# Altium PCB EVB-NORA-B20.PcbDoc (part 1 of 6) (continued)
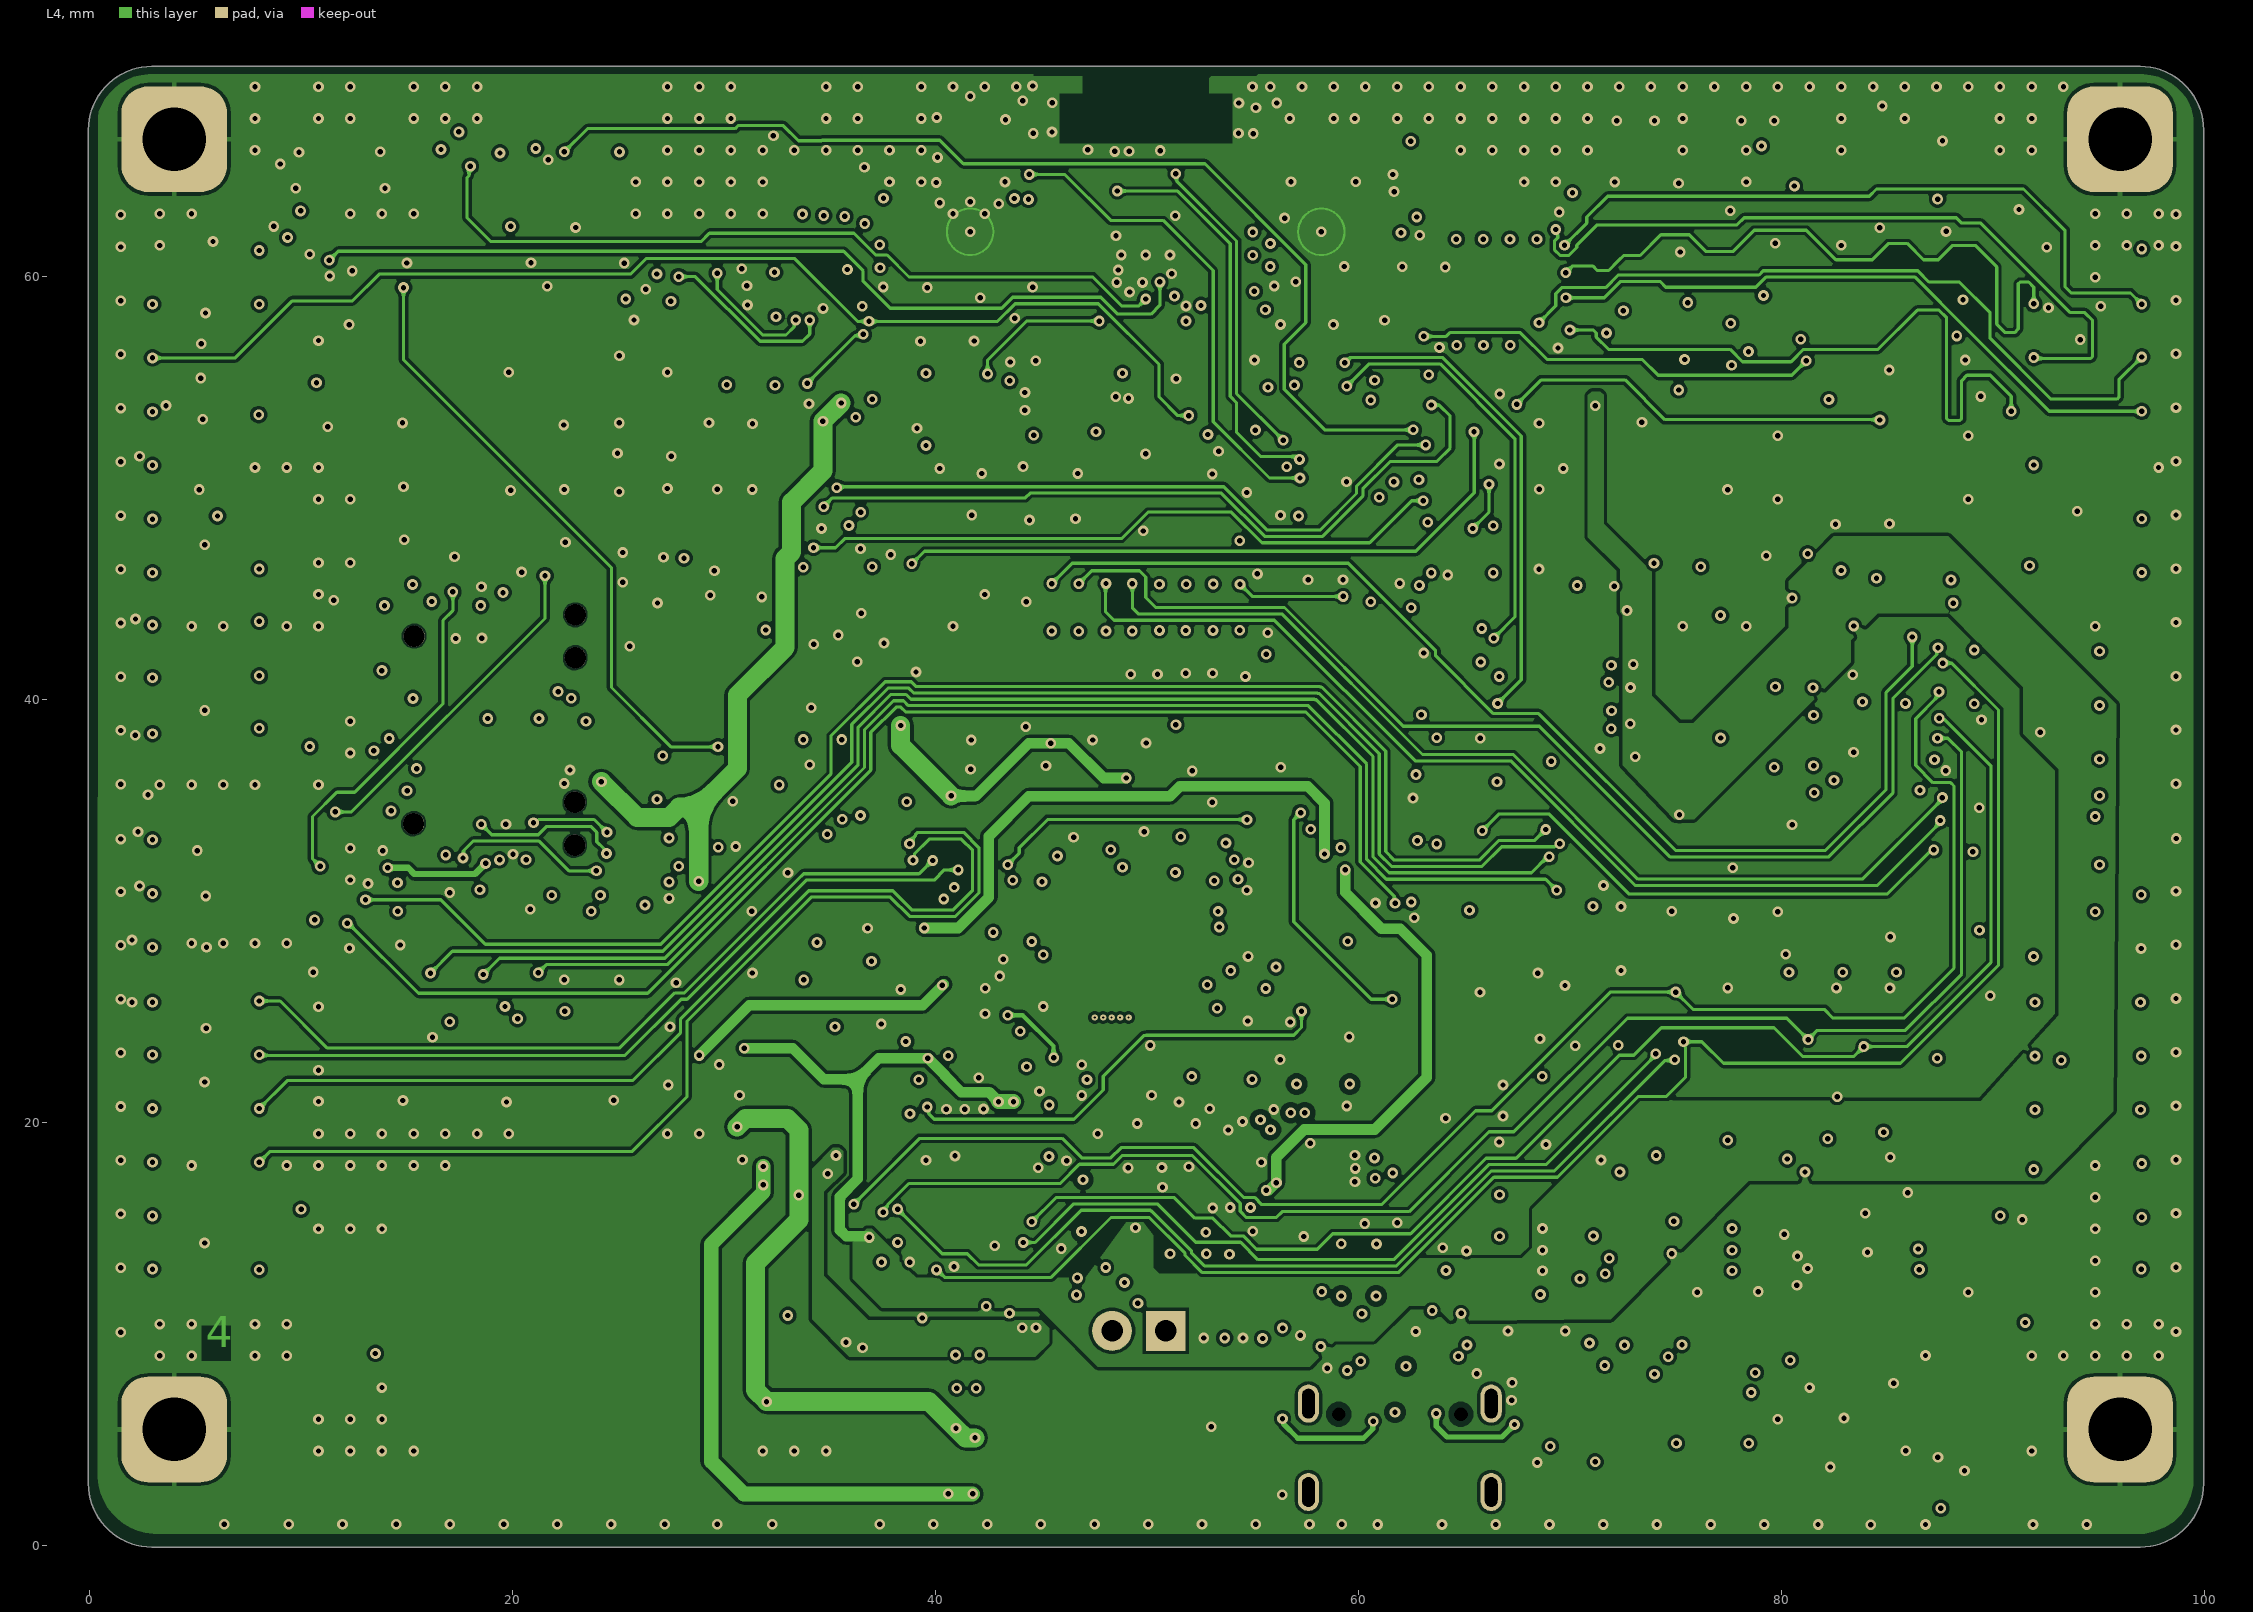
[diagram p4: L4]
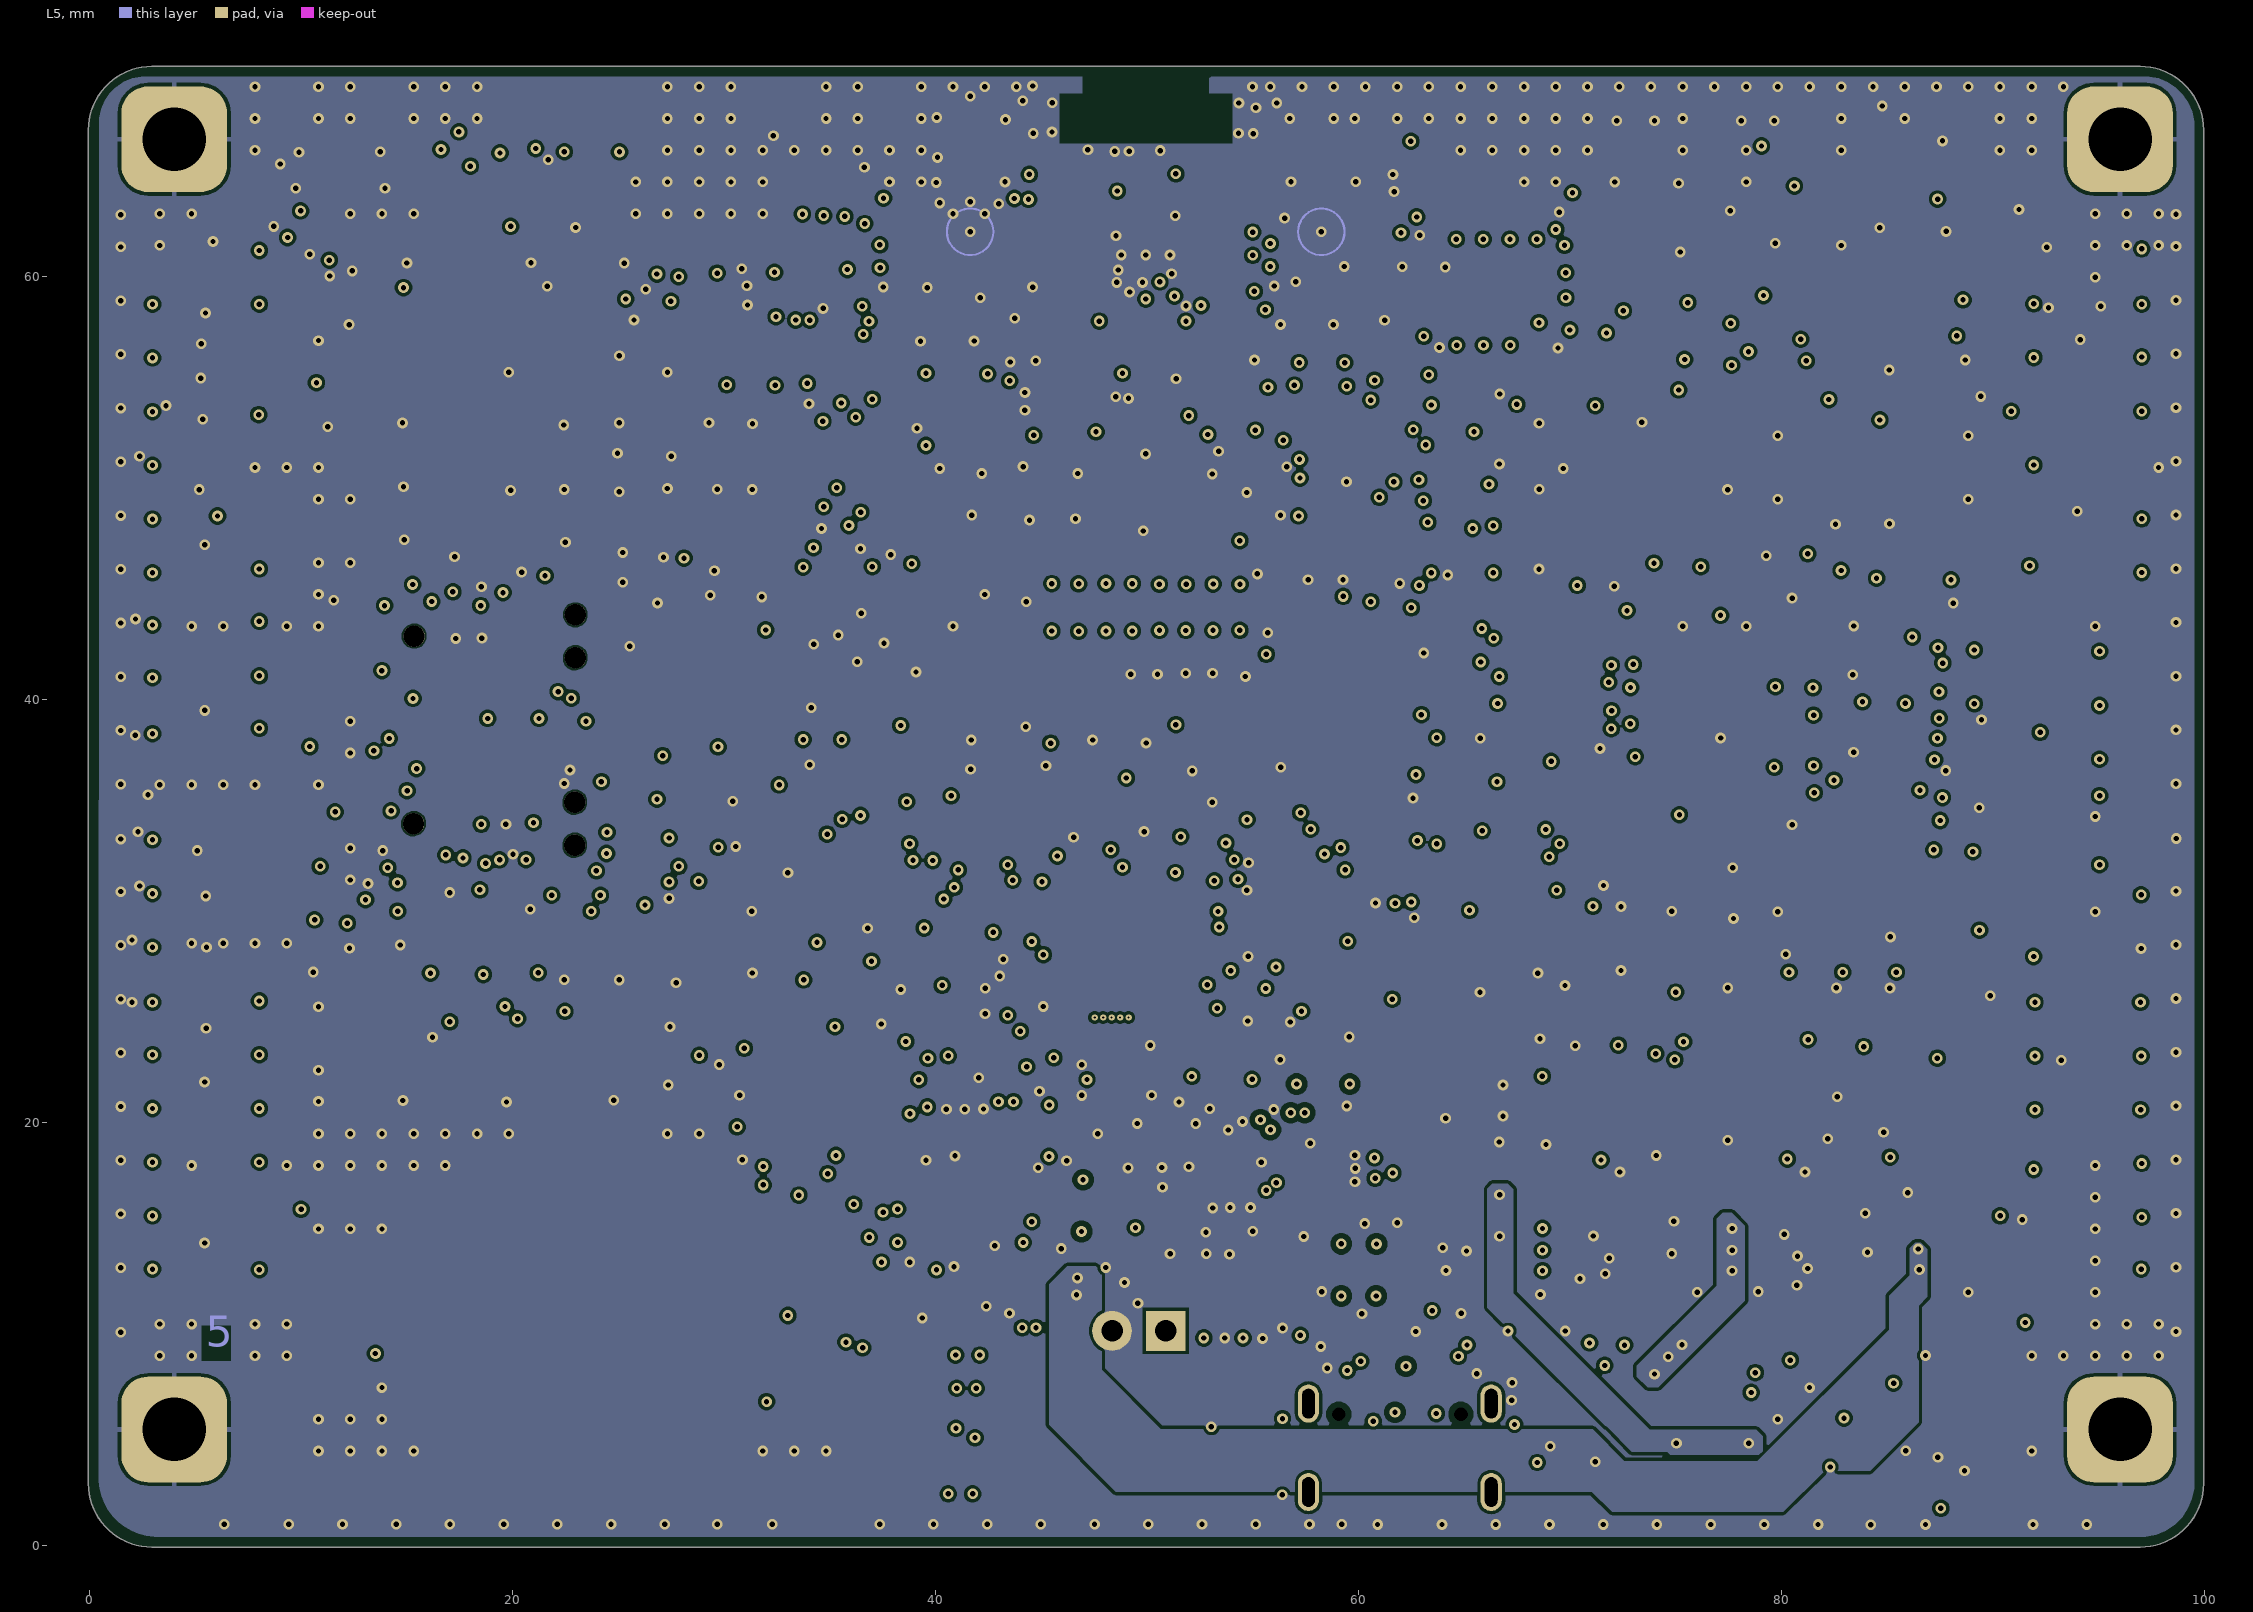
[diagram p5: L5]

## Layer stack, top to bottom
Top Solder: solder mask 0.01, Solder Resist, Dk 3.5
L1: signal copper 0.035
Dielectric 1: prepreg 0.2184, PP-023, Dk 4.5
L2: signal copper 0.035
Dielectric 2: core 0.36, Core-034, Dk 4.6
L3: signal copper 0.035
Core: prepreg 0.1803, PP-021, Dk 4.7
L4: signal copper 0.035
Dielectric 4: core 0.36, Core-034, Dk 4.6
L5: signal copper 0.035
Dielectric 3: prepreg 0.2184, PP-023, Dk 4.5
L6: signal copper 0.035
Bottom Solder: solder mask 0.01, Solder Resist, Dk 3.5

## Board outline
2.946,-0.059 96.946,-0.059 ccw(c96.946,2.941) 99.946,2.941 99.946,66.941 ccw(c96.946,66.941) 96.946,69.941 2.946,69.941 ccw(c2.946,66.941) -0.054,66.941 -0.054,2.941 ccw(c2.946,2.941)

## Design rules (kind name [scope] priority, off if disabled: settings)
BoardOutlineClearance [All] p1: gap=0.356 ignorepadtopadclearanceinfootprint=FALSE
Clearance [(InDifferentialPairClass('All Differential Pairs')) vs IsRegion] p1: gap=0.25 ignorepadtopadclearanceinfootprint=FALSE
Clearance Clearance_1 [InPolygon vs (InDifferentialPairClass('All Differential Pairs'))] p2: gap=0.3 ignorepadtopadclearanceinfootprint=FALSE
Clearance Clearance_Poly_1 [InPolygon vs (OnLayer('Keep-Out Layer')) OR (OnLayer('Multi-Layer') AND IsPad  AND Not(PadIsPlated))] p3: gap=0.15 ignorepadtopadclearanceinfootprint=FALSE except(0: Arc-Text Arc-Hole Track-Text Track-Hole SMDPad-Text SMDPad-Hole THPad-Text THPad-Hole Via-Text Via-Hole Fill-Text Fill-Hole Poly-Text Poly-Hole Region-Text Region-Hole Text-Text Text-Hole; 0.375: Arc-Poly Arc-Region Track-Poly Track-Region SMDPad-Poly SMDPad-Region THPad-Poly THPad-Region Via-Poly Via-Region Fill-Poly Fill-Region Poly-Poly Poly-Region Region-Region)
Clearance Clearance_2 [InNetClass('All Nets')] p4: gap=0.15 ignorepadtopadclearanceinfootprint=FALSE except(0: Arc-Text Arc-Hole Track-Text Track-Hole SMDPad-Text SMDPad-Hole THPad-Text THPad-Hole Via-Text Via-Hole Fill-Text Fill-Hole Poly-Text Poly-Hole Region-Text Region-Hole Text-Text Text-Hole)
ComponentClearance ComponentClearance_under_components [InCInComponent('S11','U4','BAT1','U17') vs InComponentClass('Component_under_Component')] p1 off: gap=0 collisioncheckmode=3 verticalgap=0 showdistances=FALSE
ComponentClearance [All] p2: gap=0.127 collisioncheckmode=3 verticalgap=0.254 showdistances=FALSE
DiffPairsRouting [InDifferentialPairClass('All Differential Pairs')] p1: maxlimit=0.254 minlimit=0.127 mostfreqgap=0.152 toplayer_mingap=0.15 toplayer_maxgap=0.15 toplayer_prefgap=0.15 toplayer_minwidth=0.255 toplayer_maxwidth=0.255 toplayer_prefwidth=0.255 bottomlayer_mingap=0.15 bottomlayer_maxgap=0.15 bottomlayer_prefgap=0.15 bottomlayer_minwidth=0.255 bottomlayer_maxwidth=0.255 bottomlayer_prefwidth=0.255 impedanceprofiledriven=TRUE impedanceprofileid={DAE00D8D-1B73-4F86-ADBC-31F0C44CA26F} impedanceprofilevalue=90.000000 maxuncoupledlength=12.7
Height [All] p1: minheight=0 maxheight=25.4 prefheight=2.54
HoleSize [All] p1: absolutevalues=TRUE maxlimit=2540 minlimit=0.2 maxpercent=80.000 minpercent=20.000
HoleToHoleClearance [All] p1: gap=0.152 allowstackedmicrovias=TRUE
MatchedLengths MatchLengths_xSignals_J7_R185,R186,R187,R188,R189,R19,R190 [InxSignalClass('xSignals_J7_R185,R186,R187,R188,R189,R19,R190_MatchLengthsClass')] p1: tolerance=2.54 checknetsindiffpair=FALSE checkdiffpairvsdiffpair=TRUE checkxsignals=TRUE checkothers=TRUE
MatchedLengths MatchLengths_J7_Passives_U6_1 [InxSignalClass('xSignals_J7_Passives_U6_MatchLengthsClass_1')] p2: tolerance=2.54 checknetsindiffpair=FALSE checkdiffpairvsdiffpair=TRUE checkxsignals=TRUE checkothers=TRUE
MatchedLengths MatchLengths_xSignals_J7_Passives_1 [InxSignalClass('xSignals_J7_Passives_MatchLengthsClass_1')] p3: tolerance=2.54 checknetsindiffpair=FALSE checkdiffpairvsdiffpair=TRUE checkxsignals=TRUE checkothers=TRUE
MatchedLengths MatchLengths_xSignals_J7_U6_1 [InxSignalClass('xSignals_J7_U6_MatchLengthsClass_1')] p4: tolerance=2.54 checknetsindiffpair=FALSE checkdiffpairvsdiffpair=TRUE checkxsignals=TRUE checkothers=TRUE
MatchedLengths MatchLengths_J7_Passives_U6 [InxSignalClass('xSignals_J7_Passives_U6_MatchLengthsClass')] p5: tolerance=2.54 checknetsindiffpair=FALSE checkdiffpairvsdiffpair=TRUE checkxsignals=TRUE checkothers=TRUE
MatchedLengths MatchLengths_xSignals_J7_Passives [InxSignalClass('xSignals_J7_Passives_MatchLengthsClass')] p6: tolerance=2.54 checknetsindiffpair=FALSE checkdiffpairvsdiffpair=TRUE checkxsignals=TRUE checkothers=TRUE
MatchedLengths MatchLengths_xSignals_J7_U6 [InxSignalClass('xSignals_J7_U6_MatchLengthsClass')] p7: tolerance=2.54 checknetsindiffpair=FALSE checkdiffpairvsdiffpair=TRUE checkxsignals=TRUE checkothers=TRUE
MatchedLengths MatchLengths_xSignals_U1_U6_3 [InxSignalClass('xSignals_U1_U6_MatchLengthsClass_3')] p8: tolerance=2.54 checknetsindiffpair=FALSE checkdiffpairvsdiffpair=TRUE checkxsignals=TRUE checkothers=TRUE
MatchedLengths MatchLengths_U1_Passives_U6_2 [InxSignalClass('xSignals_U1_Passives_U6_MatchLengthsClass_2')] p9: tolerance=2.54 checknetsindiffpair=FALSE checkdiffpairvsdiffpair=TRUE checkxsignals=TRUE checkothers=TRUE
MatchedLengths MatchLengths_xSignals_U1_Passives_2 [InxSignalClass('xSignals_U1_Passives_MatchLengthsClass_2')] p10: tolerance=0.5 checknetsindiffpair=FALSE checkdiffpairvsdiffpair=TRUE checkxsignals=TRUE checkothers=TRUE
MatchedLengths MatchLengths_xSignals_U1_U6_2 [InxSignalClass('xSignals_U1_U6_MatchLengthsClass_2')] p11: tolerance=0.5 checknetsindiffpair=FALSE checkdiffpairvsdiffpair=TRUE checkxsignals=TRUE checkothers=TRUE
MatchedLengths MatchLengths_U1_Passives_U6_1 [InxSignalClass('xSignals_U1_Passives_U6_MatchLengthsClass_1')] p12: tolerance=2.54 checknetsindiffpair=FALSE checkdiffpairvsdiffpair=TRUE checkxsignals=TRUE checkothers=TRUE
MatchedLengths MatchLengths_xSignals_U1_Passives_1 [InxSignalClass('xSignals_U1_Passives_MatchLengthsClass_1')] p13: tolerance=2.54 checknetsindiffpair=FALSE checkdiffpairvsdiffpair=TRUE checkxsignals=TRUE checkothers=TRUE
MatchedLengths MatchLengths_xSignals_U1_U6_1 [InxSignalClass('xSignals_U1_U6_MatchLengthsClass_1')] p14: tolerance=0.5 checknetsindiffpair=FALSE checkdiffpairvsdiffpair=TRUE checkxsignals=TRUE checkothers=TRUE
MatchedLengths MatchLengths_U1_Passives_U6 [InxSignalClass('xSignals_U1_Passives_U6_MatchLengthsClass')] p15: tolerance=2.54 checknetsindiffpair=FALSE checkdiffpairvsdiffpair=TRUE checkxsignals=TRUE checkothers=TRUE
MatchedLengths MatchLengths_xSignals_U1_Passives [InxSignalClass('xSignals_U1_Passives_MatchLengthsClass')] p16: tolerance=2.54 checknetsindiffpair=FALSE checkdiffpairvsdiffpair=TRUE checkxsignals=TRUE checkothers=TRUE
MatchedLengths MatchLengths_xSignals_U1_U6 [InxSignalClass('xSignals_U1_U6_MatchLengthsClass')] p17: tolerance=2.54 checknetsindiffpair=FALSE checkdiffpairvsdiffpair=TRUE checkxsignals=TRUE checkothers=TRUE
MinimumSolderMaskSliver [All] p1: minsoldermaskwidth=0.076
NetAntennae [NOT (HasFootprint('Solderbridge-Option') OR HasFootprint('Solderbridge-Short'))] p1: netantennaetolerance=0
PlaneClearance [InPoly] p1: clearance=0.203
PlaneConnect [All] p1 off: planeconnectstyle=Direct reliefexpansion=0.508 reliefentries=4 reliefconductorwidth=0.203 reliefairgap=0.152
PolygonConnect ThermalVias [IsVia] p1: connectstyle=Direct reliefconductorwidth=0.254 reliefentries=4 polygonreliefangle="90 Angle" airgapwidth=0.254
PolygonConnect "PolygonConnect - Power" [InNet('GND')] p2: connectstyle=Direct reliefconductorwidth=0.254 reliefentries=4 polygonreliefangle="90 Angle" airgapwidth=0.152
PolygonConnect PolygonConnect-BGA [InComponentClass('')] p3: connectstyle=Relief reliefconductorwidth=0.152 reliefentries=4 polygonreliefangle="45 Angle" airgapwidth=0.152
PolygonConnect PolygonConnect-General [All] p4: connectstyle=Direct reliefconductorwidth=0.152 reliefentries=4 polygonreliefangle="90 Angle" airgapwidth=0.152
RoutingVias [All] p1: holewidth=0.254 width=0.508 viastyle="Through Hole" minholewidth=0.2 minwidth=0.457 maxholewidth=0.305 maxwidth=0.61
SMDEntry [All] p1: side=TRUE corner=TRUE anyangle=TRUE
SilkToBoardRegionClearance [All] p1 off:
SilkToSilkClearance [All] p1 off: silktosilkclearance=0.025
SilkToSolderMaskClearance [IsPad] p1 off: minsilkscreentomaskgap=0 clearancetoexposedcopper=TRUE
SolderMaskExpansion SolderMaskExpansion_via [IsVia] p1: expansion=-0.254 istentingtop=FALSE
SolderMaskExpansion [All] p2: expansion=0.05 istentingtop=FALSE
SupplyNets "Schematic Supply Nets_6" [InNet('VDDIO_Periph')] p1: voltage=0.000
SupplyNets "Schematic Supply Nets_17" [InNet('1V8')] p2: voltage=0.000
SupplyNets "Schematic Supply Nets_14" [InNet('GND')] p3: voltage=0.000
SupplyNets "Schematic Supply Nets_12" [InNet('+3V3')] p4: voltage=0.000
SupplyNets "Schematic Supply Nets_10" [InNet('VDD_SWD0')] p5: voltage=0.000
SupplyNets "Schematic Supply Nets_8" [InNet('VDD')] p6: voltage=0.000
SupplyNets "Schematic Supply Nets_7" [InNet('VDD_M')] p7: voltage=0.000
SupplyNets "Schematic Supply Nets_5" [InNet('NEEDLE_5V')] p8: voltage=0.000
SupplyNets "Schematic Supply Nets_4" [InNet('V_Coin_Cell')] p9: voltage=0.000
SupplyNets "Schematic Supply Nets_3" [InNet('VBUS')] p10: voltage=0.000
SupplyNets "Schematic Supply Nets_2" [InNet('+5V')] p11: voltage=0.000
SupplyNets "Schematic Supply Nets_1" [InNet('+Vin')] p12: voltage=0.000
SupplyNets "Schematic Supply Nets" [InNet('VDD_DBGR')] p13: voltage=0.000
UnRoutedNet [All] p1: checkbadconnections=TRUE
Width Width_50_ohm [InNetClass('50_ohm_se')] p1: maxlimit=2.54 minlimit=0.15 preferedwidth=0.15 toplayer_minwidth=0.378 toplayer_maxwidth=0.378 toplayer_prefwidth=0.378 bottomlayer_minwidth=0.378 bottomlayer_maxwidth=0.378 bottomlayer_prefwidth=0.378 impedanceprofiledriven=TRUE impedanceprofileid={AE61133C-0F91-4E9F-BA6D-E5F668B24EEC} impedanceprofilevalue=50.000000 minimp=50.000000 maximp=50.000000 favimp=50.000000
Width [All] p2: maxlimit=5.08 minlimit=0.15 preferedwidth=0.15 toplayer_maxwidth=2.54 midlayer1_maxwidth=2.54 midlayer2_maxwidth=2.54 midlayer3_maxwidth=2.54 midlayer4_maxwidth=2.54 minimp=50.000000 maximp=50.000000 favimp=50.000000
17 further rules are at their usual default settings.

## Classes and differential pairs
net class USB_DIFF: F1_USB_N F1_USB_P
component class EVB-NORA-B2_SCHEM_0002_NORA_Module: C1 C2 C3 C4 C5 J1 J11_1 R1 R2 R3 R4 R5 R6 R7 R8 R9 R10 R11 R12 R13 R14 R15 R16 R17 R18 R19 R20 R21 R22 R23 R24 R25 R26 R27 R28 R197 TP16 TP17 U1 X1
component class EVB-NORA-B2_SCHEM_0005_On-Board-Debug: C21 C22 C23 C24 C25 C26 C27 C28 C29 C30 C31 C32 C33 C34 C35 C36 C37 C38 C39 C40 C41 D16 J9 J10 Q3 Q4 R47 R53 R54 R78 R79 R80 R81 R82 R83 R84 R85 R86 R87 R88 R89 R90 R91 R92 R93 R145 R146 R162 R163 R193 R194 R207 R208 R209 R210 R211 R212 R?1 TP36 TP37 TP43 U8 U9 U10 X2
component class EVB-NORA-B2_SCHEM_0006_PinHeaders_ULED: D9 D10 D11 D12 D13 D14 D15 D19 J7 J8 R57 R58 R59 R60 R61 R62 R63 R64 R65 R66 R67 R68 R69 R70 R71 R72 R73 R74 R75 R76 R77 R222 R223 R224 RGB1 TP2 TP3 TP6 TP7 TP8 TP9 TP10 TP11 TP12 TP13 TP14 TP15 TP18 TP19 TP20 TP21 TP22 TP23 TP24 TP25 TP32 TP33 TP34 TP35 TP38 TP39 TP40 TP41 TP44 TP45 TP46 TP47 TP48 TP49 TP50 TP51 TP52 TP53 TP54 TP55 TP56 TP57 TP58 TP59 TP60 TP61 TP62 TP63 TP64 TP65 TP66 TP67 TP68 TP69 TP70 TP71 TP72 TP73 TP74 TP75 TP76 TP77 TP78 TP79 TP80 TP81 TP82 TP83 TP84 TP85 TP86 TP87 TP88 TP89 TP90 TP91 TP92 TP93 TP94 TP95 TP96 TP97 TP98 TP99 TP100 TP101 TP102 TP103 TP104 TP105 TP106 TP107 TP108 TP109 TP110 TP111 TP112 TP113 TP114 TP115 TP116 TP117 TP118 TP119 TP120 TP121 TP122 TP123 TP124 TP125 TP126 TP128 U5 U6 U7
component class EVB-NORA-B2_SCHEM_0004_Connectors_Memory: C62 C63 C64 C65 C66 C67 D15 D17 D18 D20 D21 J6 J10_1 J11 J12 J13 J14 J15 J16 R49 R50 R55 R56 R164 R165 R166 R167 R168 R169 R170 R171 R172 R173 R174 R175 R176 R177 R178 R179 R180 R181 R182 R183 R184 R185 R186 R187 R188 R189 R198 SWITCH1 SWITCH_1 SWITCH_2 SWITCH_3 SWITCH_4 SWITCH_5 U16 U17
component class EVB-NORA-B2_SCHEM_0001_Power: BAT1 C6 C7 C8 C9 C10 C11 C12 C13 C14 C15 C18 C19 D1 D2 D3 D4 D5 D6 D7 D8 F1 J2 J3 J4 J5 Q1 R29 R30 R31 R32 R33 R34 R35 R37 R38 R39 R40 R41 R42 R43 R44 R45 R46 R51 R52 R199 R201 R225 S1 SW1 SW2 TP1 TP4 TP5 U2 U3
component class EVB-NORA-B2_SCHEM_0003_USBhub_FTDI: 23 C52 C53 C54 C55 C56 C57 C58 C59 C60 C61 F2 R137 R138 R139 R140 R141 R142 R143 R144 R147 R148 R149 R150 R151 R152 R153 R154 R155 R156 R157 R158 R159 R160 R161 R195 R196 R213 R214 R215 R216 R217 R218 R221 S2 TP26 TP27 TP28 TP29 TP30 TP31 TP42 U14 U15 X3
component class EVB-NORA-B2_SCHEM_0007_mikroE: C42 C43 C44 C45 C46 C47 C48 C49 C50 C51 J17 J18 J19 J20 R94 R95 R96 R97 R98 R99 R100 R101 R102 R103 R104 R105 R106 R107 R108 R109 R110 R111 R112 R113 R114 R115 R116 R117 R118 R119 R120 R121 R122 R123 R124 R125 R126 R127 R128 R129 R130 R131 R132 R133 R134 R135 R136 R190 R191 R192 R203 R204 U11 U12 U13
component class EVB-NORA-B2_SCHEM_0000_Topsheet: FID1 FID1_1 FID2 FID3 FID3_1 FID4 FID5 FID6
net class 50_ohm_se: NetJ1_1
differential pair OB_H_USB: +OB_H_USB_p -OB_H_USB_n
differential pair FTDI: +FTDI_p -FTDI_n
differential pair FTDI_USB: +FTDI_USB_p -FTDI_USB_n
differential pair USB1: +OBD_p -OBD_n
differential pair OBD_USB: +OBD_USB_p -OBD_USB_n
differential pair HUB: +HUB_p -HUB_n
differential pair USB: +USB_p -USB_n
differential pair F2_USB: +F2_USB_P -F2_USB_N
differential pair F1_USB: +F1_USB_P -F1_USB_N

## Components (designator, comment, footprint, x,y, rotation, side; value= is the part's Value field where it differs from the comment)
BAT1 "UBXH03-0000009" 3034 23.228,10.566 r0 top locked value=3034
C1 "UBXH01-0000243" "Cap 0402 HD"#1 45.364,54.508 r180 top locked value=4U7
C2 "UBXH01-0000243" "Cap 0402 HD"#1 47.447,54.508 r0 top locked value=4U7
C3 "UBXH01-2021002" "Cap 0402 HD"#1 38.469,59.514 r0 top locked value=100N
C4 "UBXH01-0004017" Cap_0402_1100Lx600Wx600H_600x600Pad_350G_FLX 52.4,51.173 r270 top locked value=18P
C5 "UBXH01-0004017" Cap_0402_1100Lx600Wx600H_600x600Pad_350G_FLX 47.447,51.147 r270 top locked value=18P
C6 "UBXH01-0000310" CAP_0603_1750Lx950Wx850H_600x1000Pad_900G_FLX#1 81.722,14.601 r180 top value=10U
C7 "UBXH01-0000310" CAP_0603_1750Lx950Wx850H_600x1000Pad_900G_FLX#1 79.324,13.705 r0 top value=10U
C8 "120-00016" "Cap 0402 HD"#2 65.82,12.75 r270 top value=0.1uF
C9 "UBXH01-0000248" "Cap 0402 HD"#1 44.221,11.76 r270 top locked value=1U
C10 "UBXH01-0000310" CAP_0603_1750Lx950Wx850H_600x1000Pad_900G_FLX#1 70.356,13.726 r0 top value=10U
C11 "UBXH01-0000248" "Cap 0402 HD"#3 39.09,11.781 r270 top locked value=1U
C12 "120-00016" "Cap 0402 HD"#1 66.662,8.467 r180 top locked value=0.1uF
C13 "UBXH01-0000310" CAP_0603_1750Lx950Wx850H_600x1000Pad_900G_FLX#1 72.771,14.601 r180 top value=10U
C14 "UBXH01-0000013" "Cap 0402 HD"#1 82.271,17.932 r90 top value=1N0
C15 "UBXH01-0000013" "Cap 0402 HD"#1 73.305,17.932 r270 top value=1N0
C18 "UBXH01-0000248" "Cap 0402 HD"#1 30.332,22.374 r90 top value=1U
C19 "UBXH01-0000248" "Cap 0402 HD"#3 37.68,26.12 r90 top value=1U
C21 "UBXH01-2021003" Cap_0402_1100Lx600Wx600H_600x600Pad_350G_FLX 47.825,22.039 r270 top locked value=1U0
C22 "UBXH01-2021002" "Cap 0402 HD"#1 53.794,24.833 r0 top locked value=100N
C23 "UBXH01-2021002" "Cap 0402 HD"#1 53.794,27.881 r0 top locked value=100N
C24 "UBXH01-2021002" "Cap 0402 HD"#1 53.794,30.548 r0 top locked value=100N
C25 "UBXH01-2021002" "Cap 0402 HD"#1 51.892,32.944 r0 top value=100N
C26 "UBXH01-2021003" Cap_0402_1100Lx600Wx600H_600x600Pad_350G_FLX 46.174,22.674 r270 top locked value=1U0
C27 "UBXH01-0023017" Cap_0402_1100Lx600Wx600H_600x600Pad_350G_FLX 43.293,25.724 r180 top locked value=2N2
C28 "UBXH01-2021002" "Cap 0402 HD"#1 46.555,32.58 r90 top locked value=100N
C29 "UBXH01-2021002" "Cap 0402 HD"#1 44.142,27.749 r180 top locked value=100N
C30 "UBXH01-2021002" "Cap 0402 HD"#1 44.534,25.091 r90 top locked value=100N
C31 "UBXH01-2021002" "Cap 0402 HD"#1 44.909,22.534 r270 top locked value=100N
C32 "UBXH01-2021003" Cap_0402_1100Lx600Wx600H_600x600Pad_350G_FLX 51.508,22.039 r270 top locked value=1U0
C33 "UBXH01-2021003" Cap_0402_1100Lx600Wx600H_600x600Pad_350G_FLX 49.73,21.912 r0 top locked value=1U0
C34 "UBXH01-2002003" CAP_0603_1750Lx950Wx850H_600x1000Pad_900G_FLX#2 54.152,22.013 r270 top locked value=4U7
C35 "UBXH01-2002003" CAP_0603_1750Lx950Wx850H_600x1000Pad_900G_FLX#2 52.942,22.01 r270 top locked value=4U7
C36 "UBXH01-2021002" "Cap 0402 HD"#1 47.444,23.309 r180 top locked value=100N
C37 "UBXH01-2021003" Cap_0402_1100Lx600Wx600H_600x600Pad_350G_FLX 50.111,22.928 r0 top locked value=1U0
C38 "120-00016" "Cap 0402 HD"#1 18.059,30.429 r0 top value=0.1uF
C39 "120-00016" "Cap 0402 HD"#1 14.681,32.461 r90 top value=0.1uF
C40 "120-00016" "Cap 0402 HD"#1 14.164,30.767 r0 top value=0.1uF
C41 "120-00016" "Cap 0402 HD"#1 17.925,31.759 r180 top value=0.1uF
C42 "120-00016" "Cap 0402 HD"#1 23.716,36.709 r180 top value=0.1uF
C43 "120-00016" "Cap 0402 HD"#1 72.051,36.863 r90 top value=0.1uF
C44 "120-00016" "Cap 0402 HD"#1 71.922,44.232 r90 top locked value=0.1uF
C45 "120-00016" "Cap 0402 HD"#1 32.961,36.711 r0 top value=0.1uF
C46 "120-00016" "Cap 0402 HD"#1 63.286,36.045 r270 top value=0.1uF